# KiCad board launch-lite.kicad_pcb
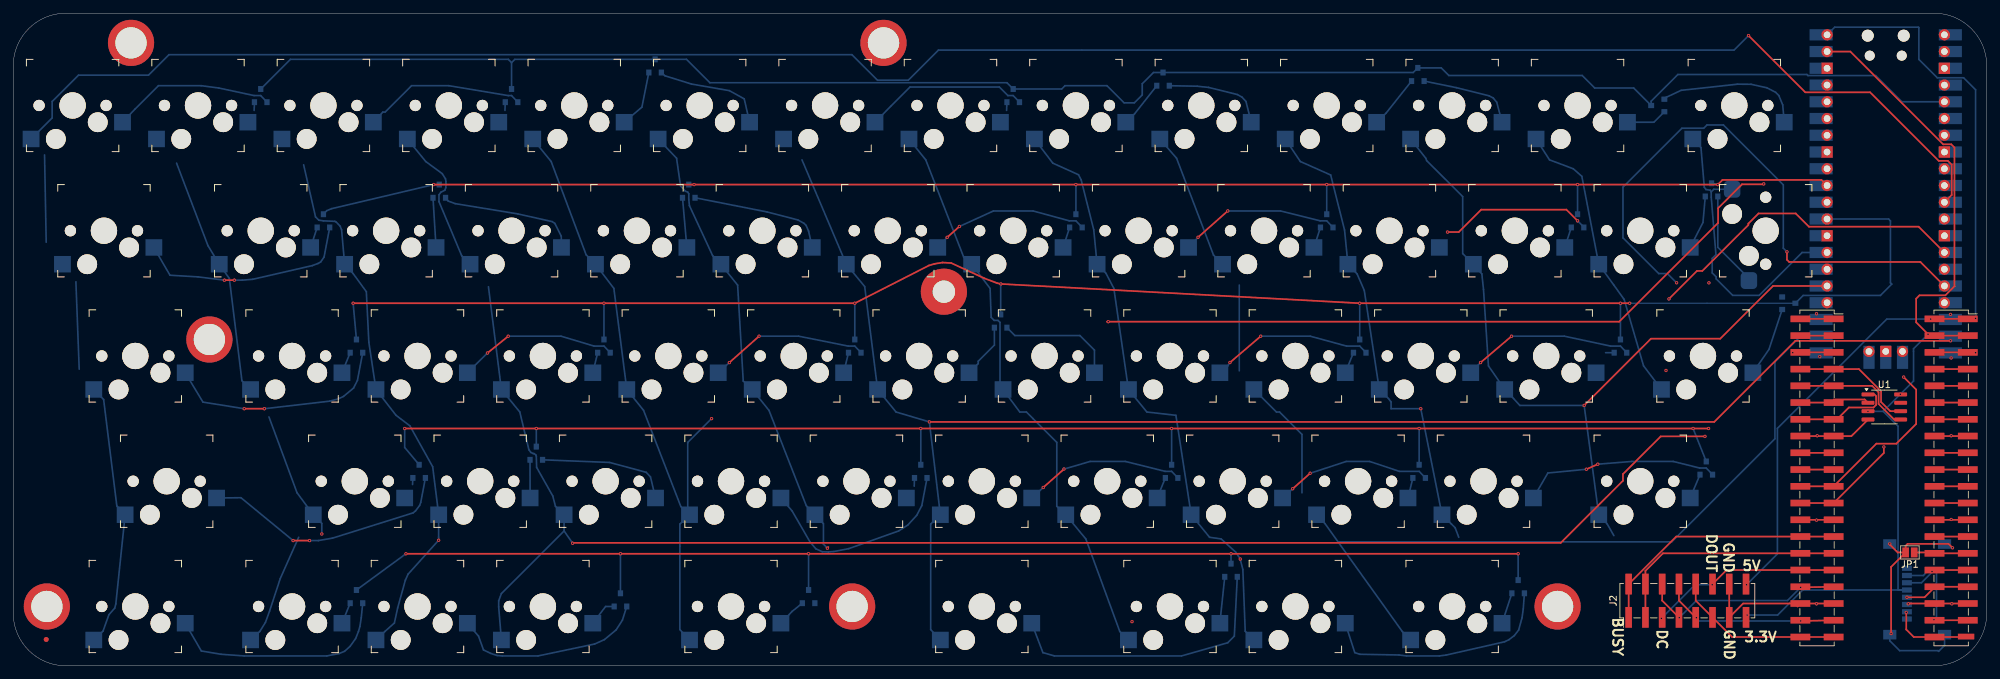
[diagram p0: board, top side]
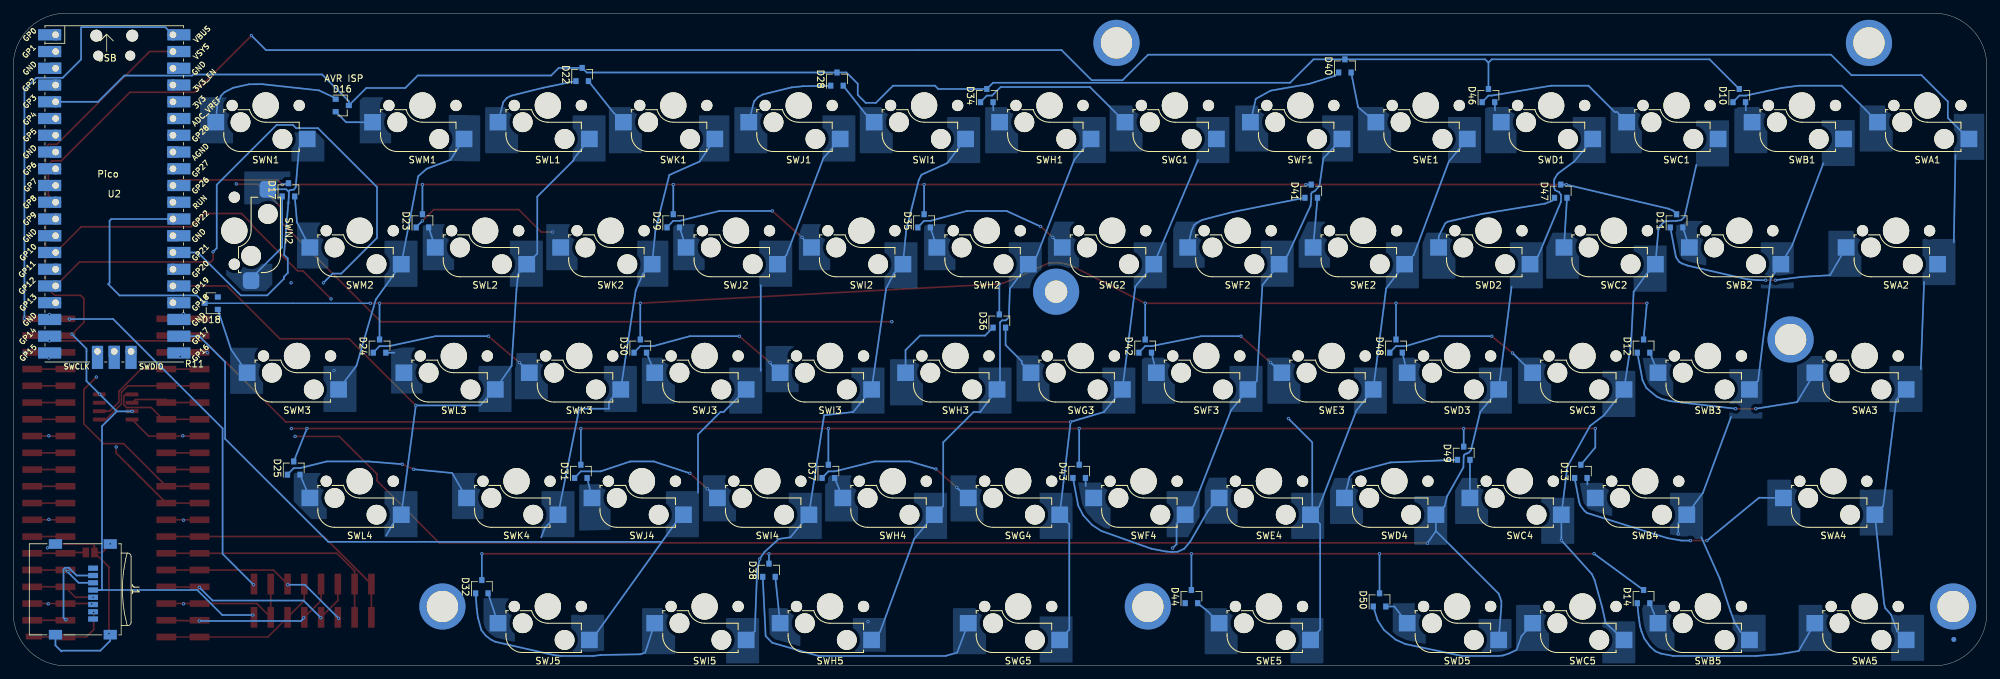
[diagram p1: board, bottom side, seen from below]

Outline 299 x 99 mm; copper layers: Top, In1.Cu (plane), In2.Cu (plane), Bottom. Coordinates in mm from the lower left corner of the outline.
Outline path: 0,91 0,8 arc(2.34,2.34) 8,0 291,0 arc(296.66,2.34) 299,8 299,91 arc(296.66,96.66) 291,99 8,99 arc(2.34,96.66) 0,91
Stack: Top 0.035mm / dielectric 0.48mm FR4 er 4.5 / In1.Cu 0.035mm / dielectric 0.48mm FR4 er 4.5 / In2.Cu 0.035mm / dielectric 0.48mm FR4 er 4.5 / Bottom 0.035mm

## Placement (name value [footprint] x y rotation side)
D10  BAV70,215  [SOT-23]  37.5 86.5 90 bottom
D11  BAV70,215  [SOT-23]  47 67.5 90 bottom
D12  BAV70,215  [SOT-23]  52 48.5 90 bottom
D13  BAV70,215  [SOT-23]  61.5 29.5 90 bottom
D14  BAV70,215  [SOT-23]  52 10.5 90 bottom
D16  BAV70,215  [SOT-23]  249.15 85 180 bottom
D17  BAV70,215  [SOT-23]  257.3 72.2 90 bottom
D18  BAV70,215  [SOT-23]  269 55 0 bottom
D22  BAV70,215  [SOT-23]  212.8 89.7 90 bottom
D23  BAV70,215  [SOT-23]  237 67.5 90 bottom
D24  BAV70,215  [SOT-23]  243.5 48.5 90 bottom
D25  BAV70,215  [SOT-23]  256.5 30 90 bottom
D28  BAV70,215  [SOT-23]  174.2 89 90 bottom
D29  BAV70,215  [SOT-23]  199 67.5 90 bottom
D30  BAV70,215  [SOT-23]  204 48.5 90 bottom
D31  BAV70,215  [SOT-23]  213 29.5 90 bottom
D32  BAV70,215  [SOT-23]  228 12 90 bottom
D34  BAV70,215  [SOT-23]  151.5 86.5 90 bottom
D35  BAV70,215  [SOT-23]  161 67.5 90 bottom
D36  BAV70,215  [SOT-23]  149.6 52.3 90 bottom
D37  BAV70,215  [SOT-23]  175.5 29.5 90 bottom
D38  BAV70,215  [SOT-23]  184.5 14.5 90 bottom
D40  BAV70,215  [SOT-23]  97.25 91 90 bottom
D41  BAV70,215  [SOT-23]  102.35 72 90 bottom
D42  BAV70,215  [SOT-23]  127.5 48.5 90 bottom
D43  BAV70,215  [SOT-23]  137.5 29.5 90 bottom
D44  BAV70,215  [SOT-23]  120.5 10.5 90 bottom
D46  BAV70,215  [SOT-23]  75.5 86.5 90 bottom
D47  BAV70,215  [SOT-23]  64.55 72 90 bottom
D48  BAV70,215  [SOT-23]  89.5 48.5 90 bottom
D49  BAV70,215  [SOT-23]  79.25 32.25 90 bottom
D50  BAV70,215  [SOT-23]  92 10 90 bottom
FID1  Fiducial  [Fiducial_0.75mm_Mask1.5mm]  5 4 0 top
FID2  Fiducial  [Fiducial_0.75mm_Mask1.5mm]  5 4 0 bottom
H1  MountingHole_Pad  [MountingHole]  17.85 94.49 0 top
H2  MountingHole_Pad  [MountingHole]  5.1 9 0 top
H3  MountingHole_Pad  [MountingHole]  29.73 49.5 0 top
H4  MountingHole_Pad  [MountingHole]  127.1 9 0 top
H5  MountingHole_Pad  [MountingHole]  131.85 94.49 0 top
H6  MountingHole_Pad  [MountingHole]  233.98 9 0 top
H9  MountingHole_Pad  [MountingHole#2]  141 56.75 0 top
J1  Micro_SD_Card_Det1  [microSD_HC_Wuerth_693072010801]  288.45 11.6 270 bottom
J2  Conn_02x08_Counter_Clockwise  [PinHeader_2x08_P2.54mm_Vertical_SMD]  253.63 9.88 90 top
J3  Conn_02x20_Counter_Clockwise  [PinSocket_2x20_P2.54mm_Vertical_SMD_With_Post#2]  273.28 28.5 0 top
J4  Conn_02x20_Counter_Clockwise  [PinSocket_2x20_P2.54mm_Vertical_SMD_With_Post]  293.6 28.5 0 top
JP1  Jumper_2_Open  [SolderJumper-2_P1.3mm_Open_Pad1.0x1.5mm]  287.35 17.2 180 top
SWA1  CPG151101S11  [Kailh_socket_MX]  9 85 180 bottom
SWA2  CPG151101S11  [Kailh_socket_MX]  13.75 66 180 bottom
SWA3  CPG151101S11  [Kailh_socket_MX]  18.5 47 180 bottom
SWA4  CPG151101S11  [Kailh_socket_MX]  23.25 28 180 bottom
SWA5  CPG151101S11  [Kailh_socket_MX]  18.5 9 180 bottom
SWB1  CPG151101S11  [Kailh_socket_MX]  28 85 180 bottom
SWB2  CPG151101S11  [Kailh_socket_MX]  37.5 66 180 bottom
SWB3  CPG151101S11  [Kailh_socket_MX]  42.25 47 180 bottom
SWB4  CPG151101S11  [Kailh_socket_MX]  51.75 28 180 bottom
SWB5  CPG151101S11  [Kailh_socket_MX]  42.25 9 180 bottom
SWC1  CPG151101S11  [Kailh_socket_MX]  47 85 180 bottom
SWC2  CPG151101S11  [Kailh_socket_MX]  56.5 66 180 bottom
SWC3  CPG151101S11  [Kailh_socket_MX]  61.25 47 180 bottom
SWC4  CPG151101S11  [Kailh_socket_MX]  70.75 28 180 bottom
SWC5  CPG151101S11  [Kailh_socket_MX]  61.25 9 180 bottom
SWD1  CPG151101S11  [Kailh_socket_MX]  66 85 180 bottom
SWD2  CPG151101S11  [Kailh_socket_MX]  75.5 66 180 bottom
SWD3  CPG151101S11  [Kailh_socket_MX]  80.25 47 180 bottom
SWD4  CPG151101S11  [Kailh_socket_MX]  89.75 28 180 bottom
SWD5  CPG151101S11  [Kailh_socket_MX]  80.25 9 180 bottom
SWE1  CPG151101S11  [Kailh_socket_MX]  85 85 180 bottom
SWE2  CPG151101S11  [Kailh_socket_MX]  94.5 66 180 bottom
SWE3  CPG151101S11  [Kailh_socket_MX]  99.25 47 180 bottom
SWE4  CPG151101S11  [Kailh_socket_MX]  108.75 28 180 bottom
SWE5  CPG151101S11  [Kailh_socket_MX]  108.75 9 180 bottom
SWF1  CPG151101S11  [Kailh_socket_MX]  104 85 180 bottom
SWF2  CPG151101S11  [Kailh_socket_MX]  113.5 66 180 bottom
SWF3  CPG151101S11  [Kailh_socket_MX]  118.25 47 180 bottom
SWF4  CPG151101S11  [Kailh_socket_MX]  127.75 28 180 bottom
SWG1  CPG151101S11  [Kailh_socket_MX]  123 85 180 bottom
SWG2  CPG151101S11  [Kailh_socket_MX]  132.5 66 180 bottom
SWG3  CPG151101S11  [Kailh_socket_MX]  137.25 47 180 bottom
SWG4  CPG151101S11  [Kailh_socket_MX]  146.75 28 180 bottom
SWG5  CPG151101S11  [Kailh_socket_MX]  146.75 9 180 bottom
SWH1  CPG151101S11  [Kailh_socket_MX]  142 85 180 bottom
SWH2  CPG151101S11  [Kailh_socket_MX]  151.5 66 180 bottom
SWH3  CPG151101S11  [Kailh_socket_MX]  156.25 47 180 bottom
SWH4  CPG151101S11  [Kailh_socket_MX]  165.75 28 180 bottom
SWH5  CPG151101S11  [Kailh_socket_MX]  175.25 9 180 bottom
SWI1  CPG151101S11  [Kailh_socket_MX]  161 85 180 bottom
SWI2  CPG151101S11  [Kailh_socket_MX]  170.5 66 180 bottom
SWI3  CPG151101S11  [Kailh_socket_MX]  175.25 47 180 bottom
SWI4  CPG151101S11  [Kailh_socket_MX]  184.75 28 180 bottom
SWI5  CPG151101S11  [Kailh_socket_MX]  194.25 9 180 bottom
SWJ1  CPG151101S11  [Kailh_socket_MX]  180 85 180 bottom
SWJ2  CPG151101S11  [Kailh_socket_MX]  189.5 66 180 bottom
SWJ3  CPG151101S11  [Kailh_socket_MX]  194.25 47 180 bottom
SWJ4  CPG151101S11  [Kailh_socket_MX]  203.75 28 180 bottom
SWJ5  CPG151101S11  [Kailh_socket_MX]  218 9 180 bottom
SWK1  CPG151101S11  [Kailh_socket_MX]  199 85 180 bottom
SWK2  CPG151101S11  [Kailh_socket_MX]  208.5 66 180 bottom
SWK3  CPG151101S11  [Kailh_socket_MX]  213.25 47 180 bottom
SWK4  CPG151101S11  [Kailh_socket_MX]  222.75 28 180 bottom
SWL1  CPG151101S11  [Kailh_socket_MX]  218 85 180 bottom
SWL2  CPG151101S11  [Kailh_socket_MX]  227.5 66 180 bottom
SWL3  CPG151101S11  [Kailh_socket_MX]  232.25 47 180 bottom
SWL4  CPG151101S11  [Kailh_socket_MX]  246.5 28 180 bottom
SWM1  CPG151101S11  [Kailh_socket_MX]  237 85 180 bottom
SWM2  CPG151101S11  [Kailh_socket_MX]  246.5 66 180 bottom
SWM3  CPG151101S11  [Kailh_socket_MX]  256 47 180 bottom
SWN1  CPG151101S11  [Kailh_socket_MX]  260.75 85 180 bottom
SWN2  CPG151101S11  [Kailh_socket_MX#2]  265.5 66 90 bottom
U1  CY15B104QN  [SOIC-8_3.9x4.9mm_P1.27mm]  283.48 39.27 0 top
U2  Pico  [RPi_Pico_SMD_TH]  283.69 71.59 180 bottom

## Library data of the parts
D10-D14 D16-D18 D22-D25 D28-D32 D34-D38 D40-D44 D46-D50 = -: Manufacturer: Nexperia
FID1 FID2 = -: ki_fp_filters: Fiducial*
H1-H6 H9 = -: ki_fp_filters: MountingHole*Pad*
J1 = -: Datasheet: https://datasheet.lcsc.com/lcsc/2110151630_XKB-Connectivity-XKTF-015-N_C381082.pdf; Description: Micro SD Card Socket with one card detection pin; ki_fp_filters: microSD*
J2 = -: Description: Generic connector, double row, 02x08, counter clockwise pin numbering scheme (similar to DIP package numbering), script generated (kicad-library-utils/schlib/autogen/connector/); ki_fp_filters: Connector*:*_2x??_*
J3 J4 = -: Description: Generic connector, double row, 02x20, odd/even pin numbering scheme (row 1 odd numbers, row 2 even numbers), script generated (kicad-library-utils/schlib/autogen/connector/); ki_fp_filters: Connector*:*_2x??_*
JP1 = -: Description: Jumper, 2-pole, open; ki_fp_filters: Jumper* TestPoint*2Pads* TestPoint*Bridge*
SWA1-SWA5 SWB1-SWB5 SWC1-SWC5 SWD1-SWD5 SWE1-SWE5 SWF1-SWF4 SWG1-SWG5 SWH1-SWH5 SWI1-SWI5 SWJ1-SWJ5 SWK1-SWK4 SWL1-SWL4 SWM1-SWM3 SWN1 SWN2 = -: Manufacturer: Kailh
U1 = -: Datasheet: http://www.cypress.com/file/41651/download; Description: 64Kb serial FRAM nonvolatile Memory, SOIC-8; ki_fp_filters: SOIC*3.9x4.9mm*P1.27mm*

## Footprints (pads in the part's own frame, mm; a bottom-side part is the same pattern mirrored in y, then rotated)
Fiducial_0.75mm_Mask1.5mm
  round 0.75 smd: (0,0)
Kailh_socket_MX
  round 1.702 hole 1.702 unplated: (-5.08,0) (5.08,0)
  round 3 hole 3 unplated: (-3.81,-2.54) (2.54,-5.08)
  round 3.988 hole 3.988 unplated: (0,0)
  rect 2.55x2.5 smd: 1(6.29,-5.08) 2(-7.56,-2.54)
Kailh_socket_MX#2
  round 1.702 hole 1.702 unplated: (-5.08,0) (5.08,0)
  round 3 hole 3 unplated: (-3.81,-2.54) (2.54,-5.08)
  round 3.988 hole 3.988 unplated: (0,0)
  rrect 2.55x2.5 smd: 1(6.29,-5.08) 2(-7.56,-2.54)
microSD_HC_Wuerth_693072010801
  rect 0.8x1.5 smd: 1(-3.2,1.55) 2(-2.1,1.55) 3(-1,1.55) 4(0.1,1.55) 5(1.2,1.55) 6(2.3,1.55) 7(3.4,1.55) 8(4.5,1.55)
  rect 1.45x2 smd: 9(-6.875,-4.15) 9(-6.875,4.15) 9(6.875,-4.15) 9(6.875,4.15)
MountingHole
  round 7 hole 4.75: 1(0,0)
MountingHole#2
  round 7 hole 3.4: 1(0,0)
PinHeader_2x08_P2.54mm_Vertical_SMD
  rect 3.15x1 smd: 1(-2.525,8.89) 2(-2.525,6.35) 3(-2.525,3.81) 4(-2.525,1.27) 5(-2.525,-1.27) 6(-2.525,-3.81) 7(-2.525,-6.35) 8(-2.525,-8.89) 9(2.525,-8.89) 10(2.525,-6.35) 11(2.525,-3.81) 12(2.525,-1.27) 13(2.525,1.27) 14(2.525,3.81) 15(2.525,6.35) 16(2.525,8.89)
PinSocket_2x20_P2.54mm_Vertical_SMD_With_Post
  rect 3x1 smd: 1(2.52,24.13) 2(-2.52,24.13) 3(2.52,21.59) 4(-2.52,21.59) 5(2.52,19.05) 6(-2.52,19.05) 7(2.52,16.51) 8(-2.52,16.51) 9(2.52,13.97) 10(-2.52,13.97) 11(2.52,11.43) 12(-2.52,11.43) 13(2.52,8.89) 14(-2.52,8.89) 15(2.52,6.35) 16(-2.52,6.35) 17(2.52,3.81) 18(-2.52,3.81) 19(2.52,1.27) 20(-2.52,1.27) 21(2.52,-1.27) 22(-2.52,-1.27) 23(2.52,-3.81) 24(-2.52,-3.81) 25(2.52,-6.35) 26(-2.52,-6.35) 27(2.52,-8.89) 28(-2.52,-8.89) 29(2.52,-11.43) 30(-2.52,-11.43) 31(2.52,-13.97) 32(-2.52,-13.97) 33(2.52,-16.51) 34(-2.52,-16.51) 35(2.52,-19.05) 36(-2.52,-19.05) 37(2.52,-21.59) 38(-2.52,-21.59) 40(-2.52,-24.13)
  rect 2.48x0.87 smd: 39(2.26,-24.065)
PinSocket_2x20_P2.54mm_Vertical_SMD_With_Post#2
  rect 3x1 smd: 1(2.52,24.13) 2(-2.52,24.13) 3(2.52,21.59) 4(-2.52,21.59) 5(2.52,19.05) 6(-2.52,19.05) 7(2.52,16.51) 8(-2.52,16.51) 9(2.52,13.97) 10(-2.52,13.97) 11(2.52,11.43) 12(-2.52,11.43) 13(2.52,8.89) 14(-2.52,8.89) 15(2.52,6.35) 16(-2.52,6.35) 17(2.52,3.81) 18(-2.52,3.81) 19(2.52,1.27) 20(-2.52,1.27) 21(2.52,-1.27) 22(-2.52,-1.27) 23(2.52,-3.81) 24(-2.52,-3.81) 25(2.52,-6.35) 26(-2.52,-6.35) 27(2.52,-8.89) 28(-2.52,-8.89) 29(2.52,-11.43) 30(-2.52,-11.43) 31(2.52,-13.97) 32(-2.52,-13.97) 33(2.52,-16.51) 34(-2.52,-16.51) 35(2.52,-19.05) 36(-2.52,-19.05) 37(2.52,-21.59) 38(-2.52,-21.59) 39(2.52,-24.13) 40(-2.52,-24.13)
RPi_Pico_SMD_TH
  oval 1.8x1.8 hole 1.8 unplated: (-2.725,24) (2.725,24)
  oval 1.5x1.5 hole 1.5 unplated: (-2.425,20.97) (2.425,20.97)
  oval 1.7x1.7 hole 1.02: 1(-8.89,24.13) 2(-8.89,21.59) 4(-8.89,16.51) 5(-8.89,13.97) 6(-8.89,11.43) 7(-8.89,8.89) 9(-8.89,3.81) 10(-8.89,1.27) 11(-8.89,-1.27) 12(-8.89,-3.81) 14(-8.89,-8.89) 15(-8.89,-11.43) 16(-8.89,-13.97) 17(-8.89,-16.51) 24(8.89,-16.51) 25(8.89,-13.97) 26(8.89,-11.43) 27(8.89,-8.89) 29(8.89,-3.81) 30(8.89,-1.27) 31(8.89,1.27) 32(8.89,3.81) 34(8.89,8.89) 35(8.89,11.43) 36(8.89,13.97) 37(8.89,16.51) 39(8.89,21.59) 40(8.89,24.13) 41(-2.54,-23.9) 43(2.54,-23.9)
  rect 3.5x1.7 smd: 1(-8.89,24.13) 2(-8.89,21.59) 3(-8.89,19.05) 4(-8.89,16.51) 5(-8.89,13.97) 6(-8.89,11.43) 7(-8.89,8.89) 8(-8.89,6.35) 9(-8.89,3.81) 10(-8.89,1.27) 11(-8.89,-1.27) 12(-8.89,-3.81) 13(-8.89,-6.35) 14(-8.89,-8.89) 15(-8.89,-11.43) 16(-8.89,-13.97) 17(-8.89,-16.51) 18(-8.89,-19.05) 19(-8.89,-21.59) 20(-8.89,-24.13) 21(8.89,-24.13) 22(8.89,-21.59) 23(8.89,-19.05) 24(8.89,-16.51) 25(8.89,-13.97) 26(8.89,-11.43) 27(8.89,-8.89) 28(8.89,-6.35) 29(8.89,-3.81) 30(8.89,-1.27) 31(8.89,1.27) 32(8.89,3.81) 33(8.89,6.35) 34(8.89,8.89) 35(8.89,11.43) 36(8.89,13.97) 37(8.89,16.51) 38(8.89,19.05) 39(8.89,21.59) 40(8.89,24.13)
  rect 1.7x1.7 hole 1.02: 3(-8.89,19.05) 8(-8.89,6.35) 13(-8.89,-6.35) 28(8.89,-6.35) 33(8.89,6.35) 38(8.89,19.05) 42(0,-23.9)
  rect 1.7x3.5 smd: 41(-2.54,-23.9) 42(0,-23.9) 43(2.54,-23.9)
SOIC-8_3.9x4.9mm_P1.27mm
  rrect 1.95x0.6 smd: 1(-2.475,1.905) 2(-2.475,0.635) 3(-2.475,-0.635) 4(-2.475,-1.905) 5(2.475,-1.905) 6(2.475,-0.635) 7(2.475,0.635) 8(2.475,1.905)
SolderJumper-2_P1.3mm_Open_Pad1.0x1.5mm
  rect 1x1.5 smd: 1(-0.65,0) 2(0.65,0)
SOT-23
  rect 0.9x0.8 smd: 1(-1,0.95) 2(-1,-0.95) 3(1,0)

## Nets
+3.3V: J1.4 J2.8 J4.3 J4.4 U1.3 U1.8 U2.39
/VBUS: J2.9 J4.1 J4.2 U2.40
GND: H1.1 H2.1 H3.1 H4.1 H5.1 H6.1 H9.1 J1.6 J2.7 J2.10 J3.5 J3.6 J3.15 J3.16 J3.25 J3.26 J3.35 J3.36 J4.5 J4.6 J4.15 J4.16 J4.25 J4.26 J4.35 J4.36 U1.4 U2.3 U2.8 U2.13 U2.18 U2.23 U2.28 U2.33 U2.38
/EPD_BUSY: J2.1 J2.16 J3.27 J3.28
/EPD_CLK: J2.5 J2.13 J3.37 J3.38
/EPD_CS: J2.4 J2.14 J3.33 J3.34
/EPD_DC/DOUT: J2.3 J2.11 J3.31 J3.32
/EPD_DIN: J2.6 J2.12 J3.39 J3.40
/EPD_RESET: J2.2 J2.15 J3.29 J3.30
/FRAM_CLK: J3.7 J3.8 U1.6
/FRAM_CS: J3.13 J3.14 U1.1
/FRAM_RX: J3.11 J3.12 U1.2
/FRAM_TX: J3.9 J3.10 U1.5
/KBD_DEBUG_RX: U2.2
/KBD_DEBUG_TX: U2.1
/PERIPHERAL_DEBUG_RX: J3.3 J3.4
/PERIPHERAL_DEBUG_TX: J3.1 J3.2
/RX: J3.21 J3.22 U2.7
/SD_CLK: J1.5 J4.33 J4.34
/SD_CS: J1.2 J4.37 J4.38
/SD_DET: J4.29 J4.30 JP1.1
/SD_RX: J1.7 J4.39 J4.40
/SD_TX: J1.3 J4.31 J4.32
/TX: J3.23 J3.24 U2.6
COLA: SWA1.1 SWA2.1 SWA3.1 SWA4.1 SWA5.1 U2.11
COLB: SWB1.1 SWB2.1 SWB3.1 SWB4.1 SWB5.1 U2.12
COLC: SWC1.1 SWC2.1 SWC3.1 SWC4.1 SWC5.1 U2.14
COLD: SWD1.1 SWD2.1 SWD3.1 SWD4.1 SWD5.1 U2.15
COLE: SWE1.1 SWE2.1 SWE3.1 SWE4.1 SWE5.1 U2.16
COLF: SWF1.1 SWF2.1 SWF3.1 SWF4.1 U2.17
COLG: SWG1.1 SWG2.1 SWG3.1 SWG4.1 SWG5.1 U2.19
COLH: SWH1.1 SWH2.1 SWH3.1 SWH4.1 SWH5.1 U2.20
COLI: SWI1.1 SWI2.1 SWI3.1 SWI4.1 SWI5.1 U2.21
COLJ: SWJ1.1 SWJ2.1 SWJ3.1 SWJ4.1 SWJ5.1 U2.22
COLK: SWK1.1 SWK2.1 SWK3.1 SWK4.1 U2.24
COLL: SWL1.1 SWL2.1 SWL3.1 SWL4.1 U2.25
COLM: SWM1.1 SWM2.1 SWM3.1 U2.26
COLN: SWN1.1 SWN2.1 U2.27
ROW1: D10.3 D16.3 D22.3 D28.3 D34.3 D40.3 D46.3 U2.5
ROW2: D11.3 D17.3 D23.3 D29.3 D35.3 D41.3 D47.3 U2.31
ROW3: D12.3 D18.3 D24.3 D30.3 D36.3 D42.3 D48.3 U2.29
ROW4: D13.3 D25.3 D31.3 D37.3 D43.3 D49.3 U2.9
ROW5: D14.3 D32.3 D38.3 D44.3 D50.3 U2.10
Net-(D10-A-Pad1): D10.1 SWA1.2
Net-(D10-A-Pad2): D10.2 SWB1.2
Net-(D11-A-Pad1): D11.1 SWA2.2
Net-(D11-A-Pad2): D11.2 SWB2.2
Net-(D12-A-Pad1): D12.1 SWA3.2
Net-(D12-A-Pad2): D12.2 SWB3.2
Net-(D13-A-Pad1): D13.1 SWA4.2
Net-(D13-A-Pad2): D13.2 SWB4.2
Net-(D14-A-Pad1): D14.1 SWA5.2
Net-(D14-A-Pad2): D14.2 SWB5.2
Net-(D16-A-Pad1): D16.1 SWN1.2
Net-(D16-A-Pad2): D16.2 SWM1.2
Net-(D17-A-Pad1): D17.1 SWN2.2
Net-(D17-A-Pad2): D17.2 SWM2.2
Net-(D18-A-Pad1): D18.1 SWM3.2
Net-(D22-A-Pad1): D22.1 SWL1.2
Net-(D22-A-Pad2): D22.2 SWK1.2
Net-(D23-A-Pad1): D23.1 SWK2.2
Net-(D23-A-Pad2): D23.2 SWL2.2
Net-(D24-A-Pad1): D24.1 SWK3.2
Net-(D24-A-Pad2): D24.2 SWL3.2
Net-(D25-A-Pad1): D25.1 SWK4.2
Net-(D25-A-Pad2): D25.2 SWL4.2
Net-(D28-A-Pad1): D28.1 SWJ1.2
Net-(D28-A-Pad2): D28.2 SWI1.2
Net-(D29-A-Pad1): D29.1 SWI2.2
Net-(D29-A-Pad2): D29.2 SWJ2.2
Net-(D30-A-Pad1): D30.1 SWI3.2
Net-(D30-A-Pad2): D30.2 SWJ3.2
Net-(D31-A-Pad1): D31.1 SWI4.2
Net-(D31-A-Pad2): D31.2 SWJ4.2
Net-(D32-A-Pad1): D32.1 SWI5.2
Net-(D32-A-Pad2): D32.2 SWJ5.2
Net-(D34-A-Pad1): D34.1 SWG1.2
Net-(D34-A-Pad2): D34.2 SWH1.2
Net-(D35-A-Pad1): D35.1 SWG2.2
Net-(D35-A-Pad2): D35.2 SWH2.2
Net-(D36-A-Pad1): D36.1 SWH3.2
Net-(D36-A-Pad2): D36.2 SWG3.2
Net-(D37-A-Pad1): D37.1 SWG4.2
Net-(D37-A-Pad2): D37.2 SWH4.2
Net-(D38-A-Pad1): D38.1 SWG5.2
Net-(D38-A-Pad2): D38.2 SWH5.2
Net-(D40-A-Pad1): D40.1 SWF1.2
Net-(D40-A-Pad2): D40.2 SWE1.2
Net-(D41-A-Pad1): D41.1 SWF2.2
Net-(D41-A-Pad2): D41.2 SWE2.2
Net-(D42-A-Pad1): D42.1 SWE3.2
Net-(D42-A-Pad2): D42.2 SWF3.2
Net-(D43-A-Pad1): D43.1 SWE4.2
Net-(D43-A-Pad2): D43.2 SWF4.2
Net-(D44-A-Pad2): D44.2 SWE5.2
Net-(D46-A-Pad1): D46.1 SWC1.2
Net-(D46-A-Pad2): D46.2 SWD1.2
Net-(D47-A-Pad1): D47.1 SWD2.2
Net-(D47-A-Pad2): D47.2 SWC2.2
Net-(D48-A-Pad1): D48.1 SWC3.2
Net-(D48-A-Pad2): D48.2 SWD3.2
Net-(D49-A-Pad1): D49.1 SWD4.2
Net-(D49-A-Pad2): D49.2 SWC4.2
Net-(D50-A-Pad1): D50.1 SWC5.2
Net-(D50-A-Pad2): D50.2 SWD5.2
Net-(J1-DET): J1.9 JP1.2
Net-(J3-Pin_17): J3.17 J3.18
Net-(J3-Pin_19): J3.19 J3.20
Net-(J4-Pin_7): J4.7 J4.8
Net-(J4-Pin_10): J4.9 J4.10
Net-(J4-Pin_11): J4.11 J4.12
Net-(J4-Pin_13): J4.13 J4.14
Net-(J4-Pin_17): J4.17 J4.18
Net-(J4-Pin_19): J4.19 J4.20
Net-(J4-Pin_21): J4.21 J4.22
Net-(J4-Pin_23): J4.23 J4.24
Net-(J4-Pin_27): J4.27 J4.28

Pads without a net: D18 2; D44 1; J1 1 8; U1 7; U2 4 30 32 34 35 36 37 41 42 43

## Via types
v1: diameter 0.5, hole 0.25, Top to Bottom, 106 vias

## Routing (per net, layer and track width the routed paths; a pad name or vN(x,y) marks a point on that pad's centre or on a via; arc(x,y) is an arc through that point)
+3.3V: length 136.4
  Top w0.25: v1(290.1,50.3) 288.3,52.1 288.3,55.7 288.8,56.2 292.72,56.2 294.1,57.58 294.1,78.62 293.62,79.1 292.4,79.1 278.32,93.18 U2.39 ; J4.4 J4.3
  Bottom w0.25: 283.3,38.6 v1(285.9,41.2) 287.9,43.2 287.9,48.1 v1(290.1,50.3) ; 283.3,38.6 285.55,36.35 285.55,11.55 285.6,11.5 J1.4 271.11,11.5 267.31,7.7 v1(262.7,7.7) 262.6,7.7 ; 283.3,38.6 v1(281,38.6) 280.8,38.6
/VBUS: length 125.2
  Top w0.25: J4.2 J4.1
  Bottom w0.25: v1(262.6,12.3) 267.28,16.98 267.28,36.02 283.86,52.6 v1(290.5,52.6) ; v1(297.3,52.7) 297.3,87.38 295.48,89.2 291.5,89.2 288.71,91.99 288.71,96.8 288.64,96.88 275.95,96.88 U2.40
GND: length 68.1
  Top w0.25: J2.10 J2.7 262.08,9.45 J3.36 ; v1(287.1,9.4) 287.15,9.45 J4.36 293.65,9.45 v1(293.7,9.4) 293.75,9.45 J4.35 ; J4.15 293.65,34.85 v1(293.6,34.9) 293.55,34.85 J4.16 ; J3.25 273.25,22.15 v1(273.2,22.1) 273.15,22.15 J3.26 ; U1.4 278.49,34.85 J3.15 273.35,34.85 v1(273.3,34.9) 273.25,34.85 J3.16 ; J4.25 293.65,22.15 v1(293.6,22.2) 293.55,22.15 J4.26 ; J3.35 273.25,9.45 v1(273.2,9.4) 273.15,9.45 J3.36 ; 270.31,9 J3.36 ; J4.5 J4.6 ; J3.6 J3.5
  vias: v1(269.6,47.5) v1(273.2,53.4) v1(293.5,53.3) v1(297.3,47.5)
/EPD_BUSY: length 39.1
  Top w0.25: J3.27 J3.28 251.95,19.61 J2.16 J2.1
/EPD_CLK: length 27.4
  Top w0.25: J3.37 v1(270.8,6.8) J3.38 ; J2.5 252.36,9.89 J2.13
  Bottom w0.25: 254.9,7.3 v1(255,7.3) 255,7.2 255.4,6.8 v1(270.8,6.8)
/EPD_CS: length 31.7
  Top w0.25: J2.4 252.41,7.3 v1(252.4,7.3) 252.4,7.31 249.82,9.89 J2.14 ; J3.33 v1(270.8,11.9) J3.34
  Bottom w0.25: v1(252.4,7.3) 255,9.9 268.8,9.9 v1(270.8,11.9)
/EPD_DC/DOUT: length 29.1
  Top w0.25: J3.31 J3.32 259.57,14.53 J2.11
  Bottom w0.25: v1(249.7,7.2) 254.8,12.3 v1(257.4,12.3)
/EPD_DIN: length 25.7
  Top w0.25: J2.12 254.9,9.89 J2.6 260.42,4.37 J3.40 J3.39
/EPD_RESET: length 36.7
  Top w0.25: J2.2 J2.15 247.28,14.41 249.94,17.07 J3.30 J3.29
/FRAM_CLK: length 18.8
  Top w0.25: U1.6 284.37,38.63 282.98,40.02 282.98,41.65 279.62,45.01 J3.7 J3.8
/FRAM_CS: length 14.5
  Top w0.25: 276.3,37.39 278.09,39.18 281.83,39.18 282.23,39.58 282.23,40.92 281.97,41.17 U1.1 ; J3.13 J3.14
/FRAM_RX: length 10.4
  Top w0.25: U1.2 280.5,40.4 275.8,40.4 ; J3.12 J3.11
/FRAM_TX: length 18.3
  Top w0.25: J3.10 J3.9 281.63,42.47 282.6,41.5 282.6,39.73 284.98,37.36 U1.5
/PERIPHERAL_DEBUG_RX: length 5
  Top w0.25: J3.4 J3.3
/PERIPHERAL_DEBUG_TX: length 5
  Top w0.25: J3.2 J3.1
/RX: length 85.1
  Top w0.25: J3.22 J3.21 282.27,33.7 285.3,33.7 288.3,36.7 288.3,41.9 v1(286.4,43.8)
  In2.Cu w0.25: v1(286.4,43.8) 290.3,39.9 297.4,39.9 298.1,40.6 298.1,74.96 U2.7
/SD_CLK: length 9.9
  Top w0.25: J4.33 J4.34 291.08,11.91 289.57,10.4 v1(286.9,10.4)
/SD_CS: length 18.2
  Top w0.25: J4.38 J4.37
  Bottom w0.25: J1.2 289.39,13.7 290.57,14.88 291.16,14.88 291.38,14.66 291.38,7.28 291.1,7 ; 291.1,7 v1(291,7) 291,6.9 291.1,7